# Altium PCB TopBoard.PcbDoc
Units mil, origin at the board's own origin, x right, y up, seen from the top; angles counter-clockwise.
Board outline 3937.01 x 1929.14 mil, 2 copper layers (Top Layer, Bottom Layer); 48 components, 39 nets, 212 pads, 1 vias.
Unrouted connection lines stored in the file: 130.
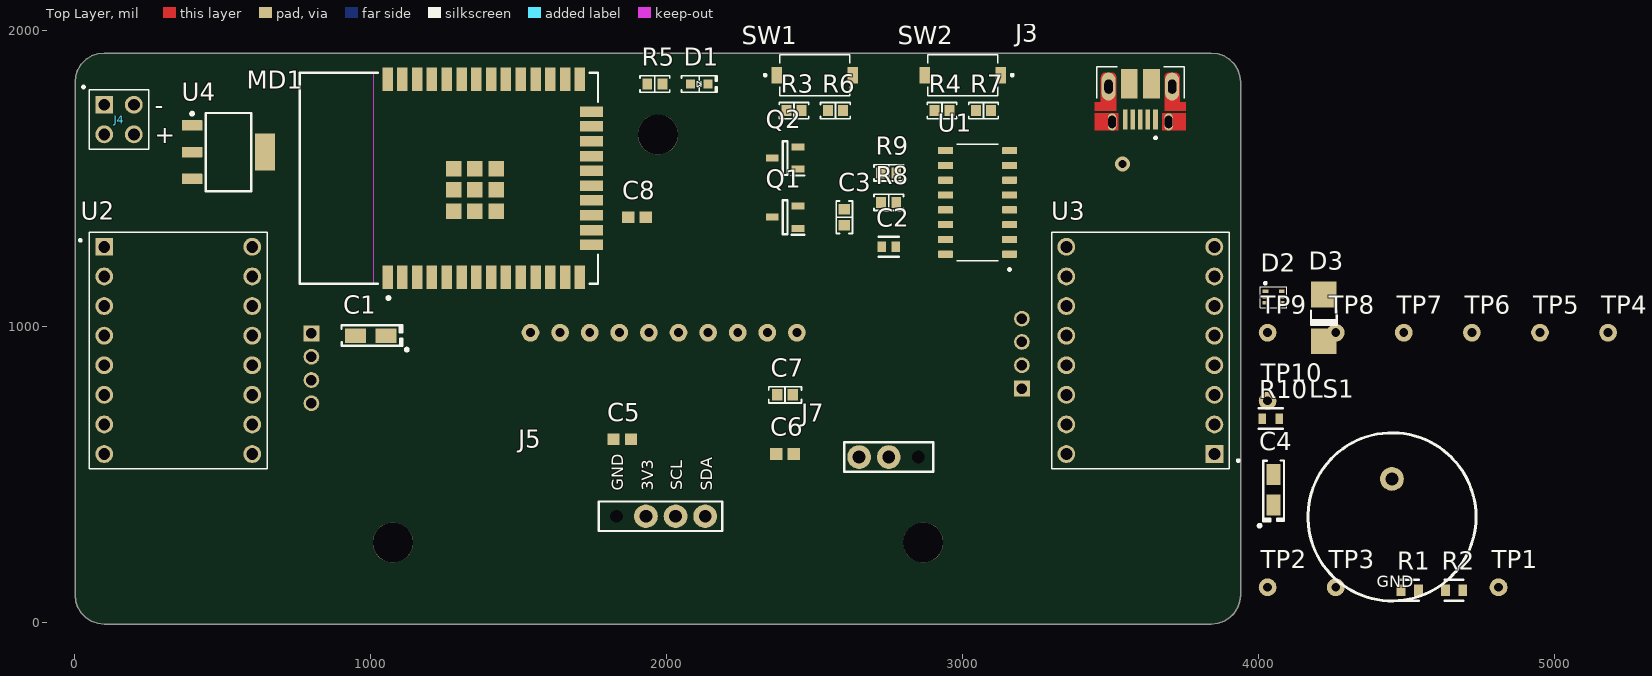
[diagram p0: Top Layer view]
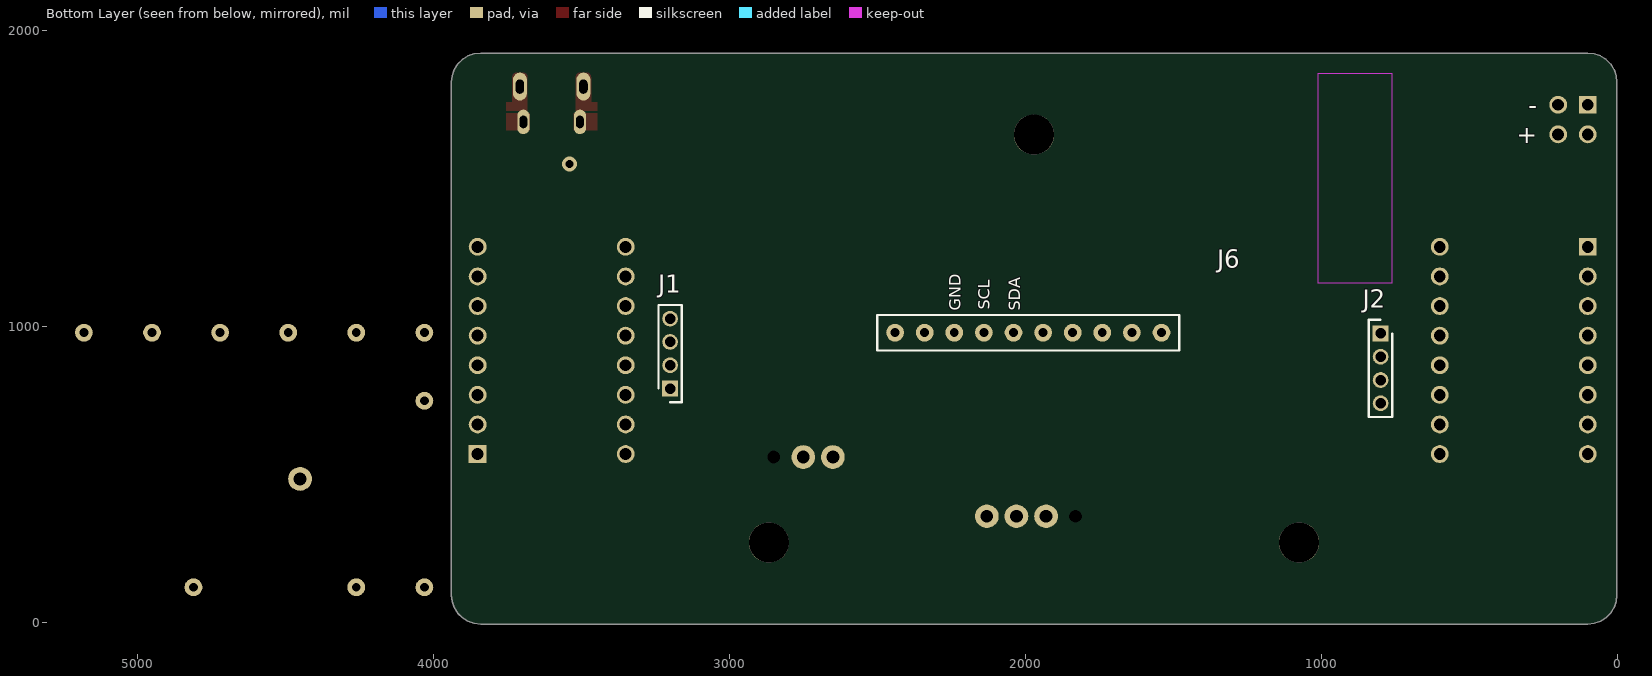
[diagram p1: Bottom Layer view, seen from below]

## Layer stack, top to bottom
Top Solder: solder mask 0.4, Solder Resist, Dk 3.5
Top Layer: signal copper 1.4
Dielectric 1: dielectric 12.6, FR-4, Dk 4.8
Bottom Layer: signal copper 1.4
Bottom Solder: solder mask 0.4, Solder Resist, Dk 3.5

## Board outline
3840.06,1924.59 99.91,1924.59 78,1922.12 57.2,1914.84 38.54,1903.12 22.95,1887.53 11.23,1868.87 3.95,1848.07 1.48,1826.17 1.48,93.88 3.95,71.98 11.23,51.18 22.95,32.51 38.54,16.93 57.2,5.2 78,-2.08 99.91,-4.54 3840.06,-4.54 3861.97,-2.07 3882.77,5.21 3901.43,16.93 3917.02,32.52 3928.74,51.18 3936.02,71.98 3938.49,93.88 3938.49,1826.17 3936.02,1848.07 3928.74,1868.87 3917.01,1887.53 3901.43,1903.12 3882.77,1914.85 3861.96,1922.12

## Design rules (kind name [scope] priority, off if disabled: settings)
Clearance [All] p1: gap=10 ignorepadtopadclearanceinfootprint=FALSE except(0: Arc-Hole Track-Hole SMDPad-Hole THPad-Hole Via-Hole Fill-Hole Poly-Hole Region-Hole Text-Hole)
DiffPairsRouting [All] p1: maxlimit=10 minlimit=10 mostfreqgap=10 toplayer_minwidth=15 toplayer_maxwidth=15 toplayer_prefwidth=15 bottomlayer_minwidth=15 bottomlayer_maxwidth=15 bottomlayer_prefwidth=15 maxuncoupledlength=500
PolygonConnect [All] p1: connectstyle=Relief reliefconductorwidth=10 reliefentries=4 polygonreliefangle="90 Angle" airgapwidth=10
RoomDefinition "Screen, IMU and IR" [InComponentClass('Screen, IMU and IR')] p1: confinementstyle=ConfineIn formatcopy=TRUE lockcomponents=FALSE outline 860,180 3240,180 3240,1470 860,1470
RoomDefinition "ESP32, LED and Buttoms" [InComponentClass('ESP32, LED and Buttoms')] p2: confinementstyle=ConfineIn formatcopy=TRUE lockcomponents=FALSE outline -50,-50 3980,-50 3980,2020 -50,2020
RoomDefinition "Buzzer & Spotlights" [InComponentClass('Buzzer & Spotlights')] p3: confinementstyle=ConfineIn formatcopy=TRUE lockcomponents=FALSE outline 3980,60 4750,60 4750,840 3980,840
RoomDefinition USBToTTL [InComponentClass('USBToTTL')] p4: confinementstyle=ConfineIn formatcopy=TRUE lockcomponents=FALSE outline 2150,920 4000,920 4000,2020 2150,2020
RoomDefinition TopBoard [InComponentClass('TopBoard')] p5: confinementstyle=ConfineIn formatcopy=TRUE lockcomponents=FALSE outline -100,-30 4000,-30 4000,2020 -100,2020
RoomDefinition "Motor Drivers A4988" [InComponentClass('Motor Drivers A4988')] p6: confinementstyle=ConfineIn formatcopy=TRUE lockcomponents=FALSE outline -40,460 4010,460 4010,1470 -40,1470
RoomDefinition Power [InComponentClass('Power')] p7: confinementstyle=ConfineIn formatcopy=TRUE lockcomponents=FALSE outline 0,1350.55 698.03,1350.55 698.03,2270 0,2270
RoutingVias [All] p1: holewidth=28 width=50 viastyle="Through Hole" minholewidth=28 minwidth=50 maxholewidth=28 maxwidth=50
SolderMaskExpansion [All] p1: expansion=4 istentingtop=FALSE
Width [All] p1: maxlimit=10 minlimit=10 preferedwidth=10
29 further rules are at their usual default settings.

## Classes and differential pairs
component class "Buzzer & Spotlights": LS1 R10
component class USBToTTL: C2 C3 D2 D3 J3 Q1 Q2 R9 TP4 TP5 TP6 TP7 TP8 TP9 U1
component class TopBoard: J1 J2
component class Power: J4 TP10 U4
component class "Motor Drivers A4988": C7 U2 U3
component class "Screen, IMU and IR": C7 C8 J5 J6 J7
component class "ESP32, LED and Buttoms": C1 D1 MD1 R1 R9 SW1 SW2 TP1 TP2 TP3
differential pair D: +D_P -D_N

## Components (designator, comment, footprint, x,y, rotation, side; value= is the part's Value field where it differs from the comment)
C1 "100µF" "CAP POL 1206_3216" 1000,970 r180 top
C2 "0.1uF" FP-C0603C-CF-MFG 2750,1270 r180 top value="0.10 μF"
C3 "1µF" "CAP 0603_1608" 2600,1370 r270 top
C4 "100µF" "CAP POL 1206_3216" 4050,450 r90 top
C5 "06035C104JAT2A" CAPC1608X90X35NL15T15 1850,620 r0 top
C6 "06035C104JAT2A" CAPC1608X90X35NL15T15 2400,570 r0 top
C7 "22µF" "CAP 0603_1608" 2400,770 r0 top
C8 "06035C104JAT2A" CAPC1608X90X35NL15T15 1900,1370 r0 top
D1 "Blue" "LED 0603_1608 BLUE" 2110,1820 r0 top
D2 "ESDUSB" SOT563 4050,1100 r0 top
D3 "SMA 5.0V" DO-214AC-SMA_Unidir 4220,1030 r90 top
J1 "PIN HEADER 4x1" HDRV4W50P0X200_1X4_800X200X525P 3200,791.26 r90 bottom
J2 "PIN HEADER 4x1" HDRV4W50P0X200_1X4_800X200X525P 800,977.48 r270 bottom
J3 "USB Micro B 2.0" AMPHENOL_10103594-0001LF 3600,1811.22 r180 top
J4 "PIN HEADER 2x1" M20-9950245 150,1700 r0 top
J5 "SSD1306_OLED_HDR" OLED_guarreta 1980,360 r90 top
J6 "IMU_10DOF_HDR" IMU_GUARRETA 2440,980 r90 bottom
J7 "IRREMOTE_HDR" IRremote_guarreta 2750,560 r270 top
LS1 "KXG1205" BUZZER 4450,230 r0 top
MD1 "ESP32-WROOM-32D" FP-ESP32-WROOM-32D-MFG 1264.05,1501.61 r90 top
Q1 "S8050" SOT95P240X115-3N 2400,1370 r180 top
Q2 "S8050" SOT95P240X115-3N 2400,1570 r180 top
R1 "1k1" FP-CRCW0603-e3-MFG 4510,110 r0 top
R2 "1k1" FP-CRCW0603-e3-MFG 4660,110 r0 top
R3 "12 kOhms" "RES 0603_1608" 2430,1730 r180 top
R4 "12 kOhms" "RES 0603_1608" 2930,1730 r180 top
R5 "470 Ohms" "RES 0603_1608" 1960,1820 r0 top
R6 "470 Ohms" "RES 0603_1608" 2570,1730 r0 top
R7 "470 Ohms" "RES 0603_1608" 3070,1730 r0 top
R8 "12 kOhms" "RES 0603_1608" 2750,1420 r0 top
R9 "12 kOhms" "RES 0603_1608" 2750,1520 r0 top
R10 "ERJ-3GEYJ102V" FP-ERJ3G-MFG 4040,690 r0 top value=1000Ω
SW1 "FSMSMTR" TECO-FSMSMTR_V 2500,1850 r0 top
SW2 "FSMSMTR" TECO-FSMSMTR_V 3000,1850 r180 top
TP1 "Test point" TestPoint 4810,120 r0 top
TP2 "Test point" TestPoint 4030,120 r90 top
TP3 "Test point" TestPoint 4260,120 r90 top
TP4 "Test point" TestPoint 5180,980 r90 top
TP5 "Test point" TestPoint 4950,980 r90 top
TP6 "Test point" TestPoint 4720,980 r90 top
TP7 "Test point" TestPoint 4490,980 r90 top
TP8 "Test point" TestPoint 4260,980 r90 top
TP9 "Test point" TestPoint 4030,980 r90 top
TP10 "Test point" TestPoint 4030,750 r90 top
U1 "CH340C" SOIC127P600X180-16N 3050,1420 r180 top
U2 "A4988" A4988 350,920 r0 top
U3 "A4988" A4988 3600,920 r180 top
U4 "LM1117IMP-3.3/NOPB" DCY0004A_N 520,1590 r0 top

## Footprints (in the part's own frame and the unit in brackets; to place one, negate y for a bottom-side part, rotate by r counter-clockwise, add the part's x,y. Pads: shape width x height; smd on the part's side, far side on the other; paste and mask are expansions set on the pad)
A4988 [mm] "Pololu A4988 Stepper Driver Carrier Footprint"
  rect 1.53x1.53 hole 1.02: 1(-6.35,8.89)
  round 1.53 hole 1.02: 2(-6.35,6.35) 3(-6.35,3.81) 4(-6.35,1.27) 5(-6.35,-1.27) 6(-6.35,-3.81) 7(-6.35,-6.35) 8(-6.35,-8.89) 9(6.35,-8.89) 10(6.35,-6.35) 11(6.35,-3.81) 12(6.35,-1.27) 13(6.35,1.27) 14(6.35,3.81) 15(6.35,6.35) 16(6.35,8.89)
  silkscreen extent -8.5,-10.16 7.62,10.16, body extent -7.62,-10.41 7.62,10.41, height 14.4
AMPHENOL_10103594-0001LF [mm]
  rect 0.4x1.75 smd: 1(-1.3,2.825) 2(-0.65,2.825) 3(0,2.825) 4(0.65,2.825) 5(1.3,2.825)
  oval 0.73x1.46 hole 0.65 slot 1.05 at 90 deg mask+0: 6(-2.425,3.03) 7(2.425,3.03)
  oval 1.2x2.4 hole 0.7 slot 1.2 at 90 deg: 8(-2.725,0) 9(2.725,0)
  oval 1.05x2.1 smd far side paste-2: 10(-2.425,3.03) 11(2.425,3.03)
  rect 1.425x2.5 smd: S1(-0.962,-0.25) S2(0.962,-0.25)
  Top Layer region: -1.9,2.3 -3.9,2.3 -3.9,3.76 -1.9,3.76
  Top Layer region: 3.9,2.3 1.9,2.3 1.9,3.76 3.9,3.76
  Top Layer region: -2.075,-0.8 -2.076,-0.821 -2.077,-0.842 -2.08,-0.863 -2.084,-0.883 -2.089,-0.904 -2.095,-0.924 -2.102,-0.943 -2.11,-0.963 -2.119,-0.982 -2.129,-1 -2.14,-1.018 -2.151,-1.035 -2.164,-1.052 -2.178,-1.068 -2.192,-1.083 -2.207,-1.097 -2.223,-1.111 -2.24,-1.124 -2.257,-1.135 -2.275,-1.146 -2.293,-1.156 -2.312,-1.165 -2.332,-1.173 -2.351,-1.18 -2.371,-1.186 -2.392,-1.191 -2.412,-1.195 -2.433,-1.198 -2.454,-1.199 -2.475,-1.2 -2.975,-1.2 -2.996,-1.199 -3.017,-1.198 -3.038,-1.195 -3.058,-1.191 -3.079,-1.186 -3.099,-1.18 -3.118,-1.173 -3.138,-1.165 -3.157,-1.156 -3.175,-1.146 -3.193,-1.135 -3.21,-1.124 -3.227,-1.111 -3.243,-1.097 -3.258,-1.083 -3.272,-1.068 -3.286,-1.052 -3.299,-1.035 -3.31,-1.018 -3.321,-1 -3.331,-0.982 -3.34,-0.963 -3.348,-0.943 -3.355,-0.924 -3.361,-0.904 -3.366,-0.883 -3.37,-0.863 -3.373,-0.842 -3.374,-0.821 -3.375,-0.8 -3.375,1.35 -3.9,1.35 -3.9,2.05 -2.075,2.05
  Top Layer region: 3.9,1.35 3.375,1.35 3.375,-0.8 3.374,-0.821 3.373,-0.842 3.37,-0.863 3.366,-0.883 3.361,-0.904 3.355,-0.924 3.348,-0.943 3.34,-0.963 3.331,-0.982 3.321,-1 3.31,-1.018 3.299,-1.035 3.286,-1.052 3.272,-1.068 3.258,-1.083 3.243,-1.097 3.227,-1.111 3.21,-1.124 3.193,-1.135 3.175,-1.146 3.157,-1.156 3.138,-1.165 3.118,-1.173 3.099,-1.18 3.079,-1.186 3.058,-1.191 3.038,-1.195 3.017,-1.198 2.996,-1.199 2.975,-1.2 2.475,-1.2 2.454,-1.199 2.433,-1.198 2.412,-1.195 2.392,-1.191 2.371,-1.186 2.351,-1.18 2.332,-1.173 2.312,-1.165 2.293,-1.156 2.275,-1.146 2.257,-1.135 2.24,-1.124 2.223,-1.111 2.207,-1.097 2.192,-1.083 2.178,-1.068 2.164,-1.052 2.151,-1.035 2.14,-1.018 2.129,-1 2.119,-0.982 2.11,-0.963 2.102,-0.943 2.095,-0.924 2.089,-0.904 2.084,-0.883 2.08,-0.863 2.077,-0.842 2.076,-0.821 2.075,-0.8 2.075,2.05 3.9,2.05
  silkscreen extent -3.75,-1.7 3.75,4.5, body extent -4.02,-2.79 4.02,3.24, height 3.13
BUZZER [mm]
  round 2.032 hole 1.1: 1(0,6.5)
  round 0 hole 1.1: 2(0,0)
  silkscreen extent -7.21,-3.96 7.21,10.46, body extent -6,-2.75 6,12.7, height 9.66
"CAP 0603_1608" [mm] "Chip Capacitor, 2-Leads, Body 1.60x0.80mm, IPC Medium Density"
  rect 0.9x1 smd: 1(-0.675,0) 2(0.675,0)
  silkscreen extent -1.4,-0.7 1.4,0.7, body extent -0.8,-0.41 0.8,0.41, height 0.82
"CAP POL 1206_3216" [mm] "Molded Capacitor, 2-Leads, Body 3.20x1.6mm, IPC Medium Density"
  rect 1.8x1.23 smd: 1(-1.31,0) 2(1.31,0)
  silkscreen extent -3.22,-0.9 2.5,1.32, body extent -1.72,-0.85 1.71,0.85, height 1.7
CAPC1608X90X35NL15T15 [mm] "Chip Capacitor, 2-Leads, Body 1.60x0.81mm, IPC Medium Density"
  rect 1.05x1 smd: 1(-0.75,0) 2(0.75,0)
  body extent -0.88,-0.48 0.87,0.48, height 0.9
DCY0004A_N [mm] "SOT223, 4-Leads, Body 6.7x3.7mm, Pitch 2.3mm, IPC Medium Density"
  rrect11% 1.75x0.9 smd: 1(-3.125,2.3) 2(-3.125,0) 3(-3.125,-2.3)
  rrect6% 1.75x3.2 smd: 4(3.125,0)
  silkscreen extent -3.25,-3.35 1.95,3.42, body extent -3.5,-3.25 3.5,3.25, height 1.62
DO-214AC-SMA_Unidir [mm] "SMA Diode, DO-214AC"
  rect 2.2x2.2 smd: A(2,0) K(-2,0)
  silkscreen extent -0.7,-1.1 0.6,1.1, body extent -2.5,-1.35 2.5,1.35, height 2.41
FP-C0603C-CF-MFG [mm]
  rect 0.75x0.9 smd paste+0 mask+0: 1(-0.6,0) 2(0.6,0)
  silkscreen extent -0.87,-0.85 0.88,0.85, body extent -1.2,-0.6 1.2,0.6, height 0.25
FP-CRCW0603-e3-MFG [mm]
  rect 0.75x1 smd paste+0 mask+0: 1(-0.75,0) 2(0.75,0)
  silkscreen extent -0.8,-0.9 0.8,0.9, body extent -1.22,-0.6 1.22,0.6, height 0.25
FP-ERJ3G-MFG [mm]
  rect 0.65x0.9 smd paste+0 mask+0: 1(-0.725,0) 2(0.725,0)
  silkscreen extent -1.03,-0.87 1.03,0.87, body extent -1.15,-0.58 1.15,0.58, height 0.25
FP-ESP32-WROOM-32D-MFG [mm]
  rect 2x0.9 smd paste+0 mask+0: 1(-8.5,5.26) 2(-8.5,3.99) 3(-8.5,2.72) 4(-8.5,1.45) 5(-8.5,0.18) 6(-8.5,-1.09) 7(-8.5,-2.36) 8(-8.5,-3.63) 9(-8.5,-4.9) 10(-8.5,-6.17) 11(-8.5,-7.44) 12(-8.5,-8.71) 13(-8.5,-9.98) 14(-8.5,-11.25) 25(8.5,-11.25) 26(8.5,-9.98) 27(8.5,-8.71) 28(8.5,-7.44) 29(8.5,-6.17) 30(8.5,-4.9) 31(8.5,-3.63) 32(8.5,-2.36) 33(8.5,-1.09) 34(8.5,0.18) 35(8.5,1.45) 36(8.5,2.72) 37(8.5,3.99) 38(8.5,5.26)
  rect 0.9x2 smd paste+0 mask+0: 15(-5.715,-12.25) 16(-4.445,-12.25) 17(-3.175,-12.25) 18(-1.905,-12.25) 19(-0.635,-12.25) 20(0.635,-12.25) 21(1.905,-12.25) 22(3.175,-12.25) 23(4.445,-12.25) 24(5.715,-12.25)
  rect 1.33x1.33 smd paste+0 mask+0: 39(-2.835,-2.24) 39(-2.835,-0.405) 39(-2.835,-4.075) 39(-1,-0.405) 39(-1,-4.075) 39(-1,-2.24) 39(0.835,-0.405) 39(0.835,-4.075) 39(0.835,-2.24)
  Keep-Out Layer region: -9,6.45 9,6.45 9,12.75 -9,12.75
  Keep-Out Layer region: -9,6.45 9,6.45 9,12.75 -9,12.75
  silkscreen extent -10.4,-12.8 9.05,12.8, body extent -9.6,-13.35 9.6,12.9, height 0.25
HDRV4W50P0X200_1X4_800X200X525P [mm]
  rect 1.35x1.35 hole 0.9: 1(0,0)
  round 1.35 hole 0.9: 2(2,0) 3(4,0) 4(6,0)
  silkscreen extent -1.17,-1 7.17,1, body extent -1.03,-0.87 6.97,1.13, height 4.9
IMU_GUARRETA [mil]
  round 60 hole 30: 1(0,0) 2(0,-100) 3(0,-200) 4(0,-300) 5(0,-400) 6(0,-500) 7(0,-600) 8(0,-700) 9(0,-800) 10(0,-900)
  silkscreen extent -60,-960 60,60, body extent -799,-1199 101,301, height 552
IRremote_guarreta [mil]
  round 80 hole 43.31: 1(0,-100) 2(0,0)
  round 0 hole 43.31: 3(0,100)
  silkscreen extent -50,-150 50,150, body extent -89,-305 659,301, height 886
"LED 0603_1608 BLUE" [mm] "Chip Diode, 2-Leads, Body 1.60x0.80mm, IPC Medium Density"
  rect 0.8x0.8 smd: 1(-0.75,0) 2(0.75,0)
  silkscreen extent -1.52,-0.7 1.52,0.7, body extent -0.8,-0.4 0.8,0.4, height 0.53
M20-9950245 [mm] "M20-9950245 Pin Connector"
  rect 1.53x1.53 hole 1.02: 1(-1.27,1.27)
  round 1.53 hole 1.02: 2(-1.27,-1.27) 3(1.27,1.27) 4(1.27,-1.27)
  silkscreen extent -3.15,-2.54 2.54,2.89, body extent -2.54,-1.57 2.54,13.91, height 5.13
OLED_guarreta [mil]
  round 80 hole 43.31: 1(0,-150) 2(0,-50) 3(0,50)
  round 0 hole 43.31: 4(0,150)
  silkscreen extent -50,-207 50,210, body extent -582,-492 13,492, height 112
"RES 0603_1608" [mm] "Chip Resistor, 2-Leads, Body 1.60x0.80mm, IPC Medium Density"
  rect 0.85x0.95 smd: 1(-0.65,0) 2(0.65,0)
  silkscreen extent -1.27,-0.7 1.27,0.7, body extent -0.8,-0.4 0.8,0.4, height 0.45
SOIC127P600X180-16N [mm]
  rrect25% 1.31x0.62 smd: 1(-2.75,4.445) 2(-2.75,3.175) 3(-2.75,1.905) 4(-2.75,0.635) 5(-2.75,-0.635) 6(-2.75,-1.905) 7(-2.75,-3.175) 8(-2.75,-4.445) 9(2.75,-4.445) 10(2.75,-3.175) 11(2.75,-1.905) 12(2.75,-0.635) 13(2.75,0.635) 14(2.75,1.905) 15(2.75,3.175) 16(2.75,4.445)
  silkscreen extent -2.85,-5 1.78,5.85, body extent -3,-5 3,5, height 1.8
SOT95P240X115-3N [mm]
  rect 1.1x0.6 smd: 1(-1.1,0.95) 2(-1.1,-0.95) 3(1.1,0)
  silkscreen extent -1.65,-1.45 0.2,1.5, body extent -1.2,-1.45 1.2,1.45, height 1.15
SOT563 [mm] "SOT563, 6-Leads, Body 1,60x1,20mm, Pitch 0,50mm, IPC Medium Density"
  rect 0.5x0.3 smd paste+0 mask+0.05: 1(-0.7,0.5) 2(-0.7,0) 3(-0.7,-0.5) 4(0.7,-0.5) 5(0.7,0) 6(0.7,0.5)
  silkscreen extent -1.14,-0.89 1.14,1.3, body extent -0.8,-0.8 0.8,0.8, height 0.55
TECO-FSMSMTR_V [mm] "SMD, 2-Leads, Body 6x3.5mm, Pitch 9.19mm"
  rect 0.9x1.4 smd: 1(-3.25,0) 2(3.25,0)
  silkscreen extent -4.35,-1.75 3,1.75, body extent -3,-1.75 3,1.75, height 2.5
TestPoint [mil] "Test Point"
  round 60 hole 30: 1(0,0)

## Part data
C1 C4: library part F930J107KAA, "CAP TANT 100UF 10% 6.3V 1206", Device Package="1206 (3216 Metric)", ESR (Equivalent Series Resistance)="2Ohm @ 100kHz", Lifetime @ Temp.="2000 Hrs @ 125°C", Manufacturer="AVX Corporation", Manufacturer Size Code=A, Operating Temperature="-55°C ~ 125°C", Supplier Part Number 1=478-8152-1-ND, Tolerance=±10%, Voltage - Rated=6.3V, Capacitance=100µF, ComponentLink1Description=Datasheet, ComponentLink1URL=http://datasheets.avx.com/F93.pdf, ComponentLink2Description="DigiKey Link", ComponentLink2URL=http://digikey.com/product-detail/en/avx-corporation/F930J107KAA/478-8152-1-ND/4005870, Features="General Purpose", Height - Seated (Max)="0.071\" (1.80mm)", LastUpdated="09/02/2020 01:15:59", Lifecycle Status=Active, Minimum Order=1, Mounting Type="Surface Mount", Package / Case="1206 (3216 Metric)", Packaging=TapeAndReel, Part Number=F930J107KAA, Part Status=Active, PartId=151, Price=0.19, Series=F93, Size / Dimension="0.126\" L x 0.063\" W (3.20mm x 1.60mm)", Supplier 1=DigiKey, Type=Molded
C2: library part CMP-2006-03061-2, "CAP CER 0.1UF 50V X7R 0603", Capacitance="0.10 μF", Manufacturer=KEMET, Manufacturer Part Number=C0603C104K5RACTU, Package=C0603C-CF, Temperature="-55°C to +125°C", Temperature Characteristic=X7R, Temperature Coefficient=30ppm/°C, Temperature Range High=+125°C, Temperature Range Low=-55°C, Tolerance=0.1, Voltage Rating="50 V", Automotive=Yes, Automotive Grade="Grade 1", Category=Cap, ComponentLink2Description=Datasheet, ComponentLink2URL=https://api.kemet.com/component-edge/download/datasheet/C0603C100J5GACAUTO.pdf, Device Class L1="Passive Components", Device Class L2=Capacitors, Device Class L3="Ceramic Capacitors", Digikey Description="CAP CER 0.1UF 50V X7R 0603", Height=0.87mm, Lead Free=Yes, Material=Ceramic, Octopart=https://octopart.com/c0603c104k5ractu-kemet-139244, RoHS=TRUE
C3: library part C0603C105K4RACAUTO, "CAP CER 0603 1UF 16V X7R 10%", Device Package="0603 (1608 Metric)", Manufacturer=KEMET, Operating Temperature="-55°C ~ 125°C", Ratings=AEC-Q200, Supplier Part Number 1=399-17704-1-ND, Temperature Coefficient=X7R, Tolerance=±10%, Voltage - Rated=16V, Applications="Automotive, Bypass, Decoupling", Capacitance=1µF, ComponentLink1Description=Datasheet, ComponentLink1URL=https://api.kemet.com/component-edge/download/datasheet/C0603C105K4RACAUTO.pdf, ComponentLink2Description="DigiKey Link", ComponentLink2URL=http://digikey.com/product-detail/en/kemet/C0603C105K4RACAUTO/399-17704-1-ND/8635855, LastUpdated="09/02/2020 01:03:36", Lifecycle Status=Active, Minimum Order=1, Mounting Type="Surface Mount, MLCC", Package / Case="0603 (1608 Metric)", Packaging=TapeAndReel, Part Number=C0603C105K4RACAUTO, Part Status=Active, PartId=2179, Price=0.02, Series="SMD Auto X7R", Size / Dimension="0.063\" L x 0.031\" W (1.60mm x 0.80mm)", Supplier 1=DigiKey, Thickness (Max)="0.037\" (0.95mm)"
C5 C6 C8: library part CMP-2006-02049-1, Manufacturer="AVX Interconnect / Elco", Part Number=06035C104JAT2A
C7: library part C1608X5R0G226M080AA, "CAP CER 22UF 4V X5R 0603", Device Package="0603 (1608 Metric)", Manufacturer="TDK Corporation", Operating Temperature="-55°C ~ 85°C", Supplier Part Number 1=445-8030-1-ND, Temperature Coefficient=X5R, Tolerance=±20%, Voltage - Rated=4V, Applications="General Purpose", Capacitance=22µF, ComponentLink1Description=Datasheet, ComponentLink1URL=https://product.tdk.com/info/en/catalog/datasheets/mlcc_commercial_general_en.pdf?ref_disty=digikey, ComponentLink2Description="DigiKey Link", ComponentLink2URL=http://digikey.com/product-detail/en/tdk-corporation/C1608X5R0G226M080AA/445-8030-1-ND/2792156, LastUpdated="09/02/2020 01:03:35", Lifecycle Status=Active, Minimum Order=1, Mounting Type="Surface Mount, MLCC", Package / Case="0603 (1608 Metric)", Packaging=TapeAndReel, Part Number=C1608X5R0G226M080AA, Part Status=Active, PartId=2599, Price=0.09, Series=C, Size / Dimension="0.063\" L x 0.031\" W (1.60mm x 0.80mm)", Supplier 1=DigiKey, Thickness (Max)="0.039\" (1.00mm)"
D1: library part VLMB1300-GS08, "LED BLUE 0603 SMD", Current - Test=20mA, Device Package="0603 (1608 Metric)", Lens Color=1.00mm, Manufacturer="Vishay Semiconductor Opto Division", Millicandela Rating=104mcd, Supplier Device Package=0603, Supplier Part Number 1=VLMB1300-GS08CT-ND, Voltage - Forward (Vf) (Typ)=3.3V, Color=Blue, ComponentLink1Description=Datasheet, ComponentLink1URL=http://www.vishay.com/docs/82437/vlmo1300.pdf, ComponentLink2Description="DigiKey Link", ComponentLink2URL=http://digikey.com/product-detail/en/vishay-semiconductor-opto-division/VLMB1300-GS08/VLMB1300-GS08CT-ND/3025485, Configuration=Standard, Height (Max)=1.00mm, LastUpdated="09/02/2020 01:20:26", Lens Size="1.10mm x 0.80mm", Lens Style="Rectangle with Flat Top", Lifecycle Status=Active, Minimum Order=1, Mounting Type="Surface Mount", Package / Case="0603 (1608 Metric)", Packaging=TapeAndReel, Part Number=VLMB1300-GS08, Part Status=Active, PartId=785, Price=0.08, Series=CHIPLED, Size / Dimension="1.60mm L x 0.80mm W", Supplier 1=DigiKey, Viewing Angle=130°, Wavelength - Dominant=470nm, Wavelength - Peak=468nm
D2: library part "USB ESD Single", "Protection, USB ESD", Manufacturer=Würth, Manufacturer 2=Bourns, Temp_ Max=125, Temp_ Min=-40, OrderingCode=82400152, OrderingCode 2=CDSOT563-0502, Part Number="USB ESD Single", Price (€)=0,1, Supplier=Würth
D3: library part "TVS 5Vdc Unidir SMA", "Protection, Transient Suppression Diode", Breakdown Voltage=6,7Vdc, Manufacturer=WE, Overvoltage Current=43,5A, Temp_ Max=150, Temp_ Min=-65, Voltage=5Vdc, OrderingCode=824500500, Part Number="TVS 5Vdc Unidir SMA", Price (€)=0,108
J1 J2: library part M22-2510405, "Connector", Manufacturer_Name=Harwin, Mouser Part Number=855-M22-2510405, Datasheet Link=https://cdn.harwin.com/pdfs/M22-251.pdf, Height=5.25mm, Manufacturer_Part_Number=M22-2510405, Mouser Price/Stock=https://www.mouser.co.uk/ProductDetail/Harwin/M22-2510405?qs=vF78I%252BjhbY9z7PsFZBZ5CA%3D%3D
J3: library part 10103594-0001LF, "USB - micro B USB 2.0 Receptacle Connector 5 Position Surface Mount, Right Angle; Through Hole", Package=None, Availability=Good, Check_prices=https://www.snapeda.com/parts/10103594-0001LF/Amphenol%20FCI/view-part/5161044/?ref=eda, MF="Amphenol ICC (FCI)", MP=10103594-0001LF, Price=None, Purchase-URL=https://pricing.snapeda.com/search/part/10103594-0001LF/?ref=eda, SnapEDA_Link=https://www.snapeda.com/parts/10103594-0001LF/Amphenol%20FCI/view-part/5161044/?ref=snap
J4: library part M20-9950245, "M20-9950245 Pin Connector", ComponentLink1Description=Datasheet, ComponentLink1URL=https://www.snapeda.com/parts/M20-9950245/Harwin/datasheet/
J5: library part SSD_GUARRETA, "CONN HDR 4POS 0.1 TIN PCB", Color=Black, Manufacturer=Sullins, Manufacturer Part Number=PPTC041LFBN-RC, Package Quantity=1000, Supplier Part Number 1=S7002-ND, Category=Connectors, ComponentLink1Description=https://media.digikey.com/pdf/Data%20Sheets/Sullins%20PDFs/Female_Headers.100_DS.pdf?src-supplier=Digi-Key, ComponentLink1URL=https://media.digikey.com/pdf/Data%20Sheets/Sullins%20PDFs/Female_Headers.100_DS.pdf?src-supplier=Digi-Key, ComponentLink2Description=http://www.sullinscorp.com/catalogs/78_Page80-81_HEADER_.100_2.54mm_FEMALE.pdf?src-supplier=Future+Electronics, ComponentLink2URL=http://www.sullinscorp.com/catalogs/78_Page80-81_HEADER_.100_2.54mm_FEMALE.pdf?src-supplier=Future+Electronics, Connector Type=Header,Socket, Contact Material=Bronze, Contact Plating=Tin, Height=8.5mm, Housing Material=Plastic, Lead Free="Lead Free", Length=10.7mm, Mount="Through Hole", Number of Positions=4, Number of Rows=1, Packaging=Bulk, Pitch=0.1inch, Pricing 1="1=0,45000, 10=0,42400, 100=0,32500, 500=0,28260, 1000=0,23315, 5000=0,20489, 10000=0,20410 (USD)", RoHS=Yes, Stock 1=41925, Supplier 1=Digi-Key, Termination=Solder, Width=2.5mm
J6: library part IMU_GUARRETA, "CONN HDR 10POS 0.1 TIN PCB", Color=Black, Manufacturer=Sullins, Manufacturer Part Number=PPTC101LFBN-RC, Package Quantity=1000, Supplier Part Number 1=S7008-ND, Category=Connectors, ComponentLink1Description=https://media.digikey.com/pdf/Data%20Sheets/Sullins%20PDFs/Female_Headers.100_DS.pdf?src-supplier=Digi-Key, ComponentLink1URL=https://media.digikey.com/pdf/Data%20Sheets/Sullins%20PDFs/Female_Headers.100_DS.pdf?src-supplier=Digi-Key, Connector Type=Header, Contact Material=Bronze, Contact Plating=Tin, Contact Type="Female Socket", Height=8.5mm, Housing Material=Plastic, Lead Free="Lead Free", Length=25.9mm, Mount="Through Hole", Number of Positions=10, Number of Rows=1, Packaging=Bulk, Pitch=0.1inch, Pricing 1="1=0,65000, 10=0,57400, 100=0,49500, 500=0,40500, 1000=0,36000, 5000=0,32500 (USD)", RoHS=Yes, RoHS Compliant=Yes, Stock 1=12464, Supplier 1=Digi-Key, Termination=Solder, Width=2.5mm
J7: library part IRREMOTE_GUARRETA, "CONN HDR 3POS 0.1 GOLD PCB", Color=Black, Manufacturer=Sullins, Manufacturer Part Number=PPPC031LFBN-RC, Package Quantity=1000, Supplier Part Number 1=S7036-ND, Category=Connectors, ComponentLink1Description=https://media.digikey.com/pdf/Data%20Sheets/Sullins%20PDFs/Female_Headers.100_DS.pdf?src-supplier=Digi-Key, ComponentLink1URL=https://media.digikey.com/pdf/Data%20Sheets/Sullins%20PDFs/Female_Headers.100_DS.pdf?src-supplier=Digi-Key, ComponentLink2Description=http://www.sullinscorp.com/catalogs/78_Page80-81_HEADER_.100_2.54mm_FEMALE.pdf?src-supplier=Future+Electronics, ComponentLink2URL=http://www.sullinscorp.com/catalogs/78_Page80-81_HEADER_.100_2.54mm_FEMALE.pdf?src-supplier=Future+Electronics, Connector Type=Header, Contact Material=Bronze, Contact Plating=Gold, Contact Type="Female Socket", Height=8.5mm, Housing Material=Plastic, Lead Free="Lead Free", Length=8.12mm, Mount="Through Hole", Number of Positions=3, Number of Rows=1, Packaging=Bulk, Pitch=0.1inch, Pricing 1="1=0,37000, 10=0,35100, 100=0,26910, 500=0,23400, 1000=0,19305, 5000=0,16965, 10000=0,16900 (USD)", RoHS=Yes, RoHS Compliant=Yes, Stock 1=36124, Supplier 1=Digi-Key, Termination=Solder, Width=2.5mm
LS1: library part Buzzer
MD1: library part CMP-194065-000003-1, "WIFI MODULE 32MBITS SPI FLASH", Manufacturer="Espressif Systems", Max Frequency=2484MHz, Max Supply Voltage=3.6V, Min Supply Voltage=3V, Nominal Supply Current=500mA, Temperature="-40°C to +85°C", Temperature Range High=+85°C, Temperature Range Low=-40°C, Automotive=No, Bandwidth=72MHz, Category=UNK, ComponentLink2Description=Datasheet, ComponentLink2URL=https://www.espressif.com/sites/default/files/documentation/esp32-wroom-32d_esp32-wroom-32u_datasheet_en.pdf, Data Rate=150Mbits/s, Device Class L1="Integrated Circuits (ICs)", Device Class L2="RF Semiconductors and Devices", Device Class L3=Transceivers, Digikey Description="WIFI MODULE 32MBITS SPI FLASH", Height=3.2mm, Interface=I2C,SPI,UART,Ethernet,I2S,Other, Lead Free=Yes, Manufacturer Part Number=ESP32-WROOM-32D, Mouser Description="Wi-Fi/BT BLE Module ESP32-D0WD, SPI Flash, UART, P", Number Of Adc Channels=16, Number Of Gpio=32, Octopart=https://octopart.com/esp32-wroom-32d-espressif+systems-91040050, Package=ESP32-WROOM-32D, RoHS=TRUE, Sensitivity=-98dBm
Q1 Q2: "Transistor", Manufacturer_Name="Yenji Elec", Datasheet Link=https://datasheet.lcsc.com/szlcsc/Yenji-Elec-S8050_C139514.pdf, Height=1.15mm, Manufacturer_Part_Number=S8050
R1 R2: library part CMP-2000-02978-2, "RES Thick Film, 1.1kΩ, 5%, 0.1W, 200ppm/°C, 0603", Case Code (Imperial)=0603, Case Code (Metric)=1608, Max Operating Temperature=155°C, Max Power Dissipation=100mW, Min Operating Temperature=-55°C, Package Quantity=1, Resistance=1.1kR, Temperature Coefficient=200ppm/°C, Tolerance=5%, Voltage Rating=75V, Case/Package=0603, Composition="Thick Film", Contact Plating=Tin, Depth=0.85mm, Features="Automotive AEC-Q200", Height=0.02inch, Lead Free="Lead Free", Length=1.55mm, Military Standard=Not, Number of Terminations=2, Packaging="Tape and Reel", Power Rating=100mW, Radiation Hardening=No, Voltage Rating (DC)=75V, Weight=7.1E-05oz, Width=0.033inch
R3 R4 R8 R9: library part RMCF0603JT12K0, "RES 12K OHM 5% 1/10W 0603", Device Package="0603 (1608 Metric)", Manufacturer="Stackpole Electronics Inc", Operating Temperature="-55°C ~ 155°C", Power (Watts)="0.1W, 1/10W", Ratings=AEC-Q200, Supplier Device Package=0603, Supplier Part Number 1=RMCF0603JT12K0CT-ND, Temperature Coefficient=±200ppm/°C, Tolerance=±5%, ComponentLink1Description=Datasheet, ComponentLink1URL=https://www.seielect.com/catalog/sei-rmcf_rmcp.pdf, ComponentLink2Description="DigiKey Link", ComponentLink2URL=http://digikey.com/product-detail/en/stackpole-electronics-inc/RMCF0603JT12K0/RMCF0603JT12K0CT-ND/1943192, Composition="Thick Film", Features="Automotive AEC-Q200", Height - Seated (Max)="0.022\" (0.55mm)", LastUpdated="09/02/2020 01:10:24", Lifecycle Status=Active, Minimum Order=1, Number of Terminations=2, Package / Case="0603 (1608 Metric)", Packaging=CutTape, Part Number=RMCF0603JT12K0, Part Status=Active, PartId=5166, Price=0.10, Resistance="12 kOhms", Series=RMCF, Size / Dimension="0.061\" L x 0.031\" W (1.55mm x 0.80mm)", Supplier 1=DigiKey
R5 R6 R7: library part RMCF0603JT470R, "RES 470 OHM 5% 1/10W 0603", Device Package="0603 (1608 Metric)", Manufacturer="Stackpole Electronics Inc", Operating Temperature="-55°C ~ 155°C", Power (Watts)="0.1W, 1/10W", Ratings=AEC-Q200, Supplier Device Package=0603, Supplier Part Number 1=RMCF0603JT470RCT-ND, Temperature Coefficient=±200ppm/°C, Tolerance=±5%, ComponentLink1Description=Datasheet, ComponentLink1URL=https://www.seielect.com/catalog/sei-rmcf_rmcp.pdf, ComponentLink2Description="DigiKey Link", ComponentLink2URL=http://digikey.com/product-detail/en/stackpole-electronics-inc/RMCF0603JT470R/RMCF0603JT470RCT-ND/1943166, Composition="Thick Film", Features="Automotive AEC-Q200", Height - Seated (Max)="0.022\" (0.55mm)", LastUpdated="09/02/2020 01:10:23", Lifecycle Status=Active, Minimum Order=1, Number of Terminations=2, Package / Case="0603 (1608 Metric)", Packaging=CutTape, Part Number=RMCF0603JT470R, Part Status=Active, PartId=5857, Price=0.10, Resistance="470 Ohms", Series=RMCF, Size / Dimension="0.061\" L x 0.031\" W (1.55mm x 0.80mm)", Supplier 1=DigiKey
R10: library part CMP-2000-00703-2, "RES SMD 1K OHM 5% 1/10W 0603", Manufacturer=Panasonic, Package=ERJ3G, Power Rating=0.1W, Resistance=1000Ω, Temperature="-55°C to +155°C", Temperature Coefficient=200ppm/°C, Temperature Range High=+155°C, Temperature Range Low=-55°C, Tolerance=5%, Voltage="75 V", Voltage Rating=75V, Automotive=Yes, Automotive Grade="Grade 0", Category=Res, ComponentLink2Description=Datasheet, ComponentLink2URL=https://industrial.panasonic.com/cdbs/www-data/pdf/RDA0000/AOA0000C301.pdf, Composition="Thick Film", Device Class L1="Passive Components", Device Class L2=Resistors, Device Class L3="Chip SMD Resistors", Digikey Description="RES SMD 1K OHM 5% 1/10W 0603", Footprint Url=https://industrial.panasonic.com/cdbs/www-data/pdf/RDA0000/DMA0000COL17.pdf, Height=0.55mm, Ipc Land Pattern Name=RESC16080X45, Lead Free=Yes, Manufacturer Part Number=ERJ-3GEYJ102V, Mounting Type="surface mount", Mouser Description="Res Thick Film 0603 1K Ohm 5% 1/10W ±200ppm/°C Molded SMD Punched Carrier T/R", Octopart=https://octopart.com/erj-3geyj102v-panasonic-55403670, RoHS=TRUE, Series=ERJ
SW1 SW2: library part CMP-2000-07501-1, "FSMSM Push Button Switch, 50 mA, -35 to 85 degC, 2-Pin SMD, RoHS, Tape and Reel", Case\/Package=SMD/SMT, Contact Current Rating=50mA, Contact Resistance=100mOhm, Manufacturer="TE Connectivity", Max Operating Temperature=85degC, Max Voltage Rating (DC)=12V, Min Operating Temperature=-35degC, Operating Force=180gf, Package Description="2-Pin Surface Mount Device, Body 6 x 3.5 mm, Pitch 9.19 mm", Package Quantity=1800, Voltage Rating (DC)=24V, Actuator Length=1.07mm, Actuator Material=Polyamide, Contact Material=Brass, Contact Plating=Silver, Current Rating=50mA, Datasheet URL=http://www.te.com/commerce/DocumentDelivery/DDEController?Action=showdoc&DocId=Customer+Drawing%7F1437566-3%7FC2%7Fpdf%7FEnglish%7FENG_CD_1437566-3_C2_1437566_3_1_c.dwg.pdf%7F1437566-4, Datasheet Version="Rev. C2, 08/2014", Electrical Life=20000Cycles, ELV=Compliant, Illumination Type=Illuminated, Lead Free=LeadFree, Manufacturer Part Number=FSMSMTR, Manufacturer URL=http://www.te.com/, Mechanical Life=20000Cycles, Mount=SurfaceMount, Mounting Technology=SurfaceMount, Orientation=Straight, Package Reference=FSMSMTR, Packaging=TapeandReel, REACH SVHC=Unknown, RoHSCompliant=true, Switch Travel=0.25mm, Termination=GullWing, Throw Configuration=SPST
TP1 TP2 TP3 TP4 TP5 TP6 TP7 TP8 TP9 TP10: library part TestPoint
U1: "USB to serial chip CH340", Package=None, Availability="Not in stock", Check_prices=https://www.snapeda.com/parts/CH340C/WCH/view-part/?ref=eda, MF=WCH, MP=CH340C, Price=None, SnapEDA_Link=https://www.snapeda.com/parts/CH340C/WCH/view-part/?ref=snap
U2 U3: "Pololu A4988 Stepper Motor Driver Carrier", ComponentLink1Description="Datasheet carrier", ComponentLink1URL=https://www.robotshop.com/media/files/pdf/datasheet-1182.pdf, ComponentLink2Description="Datasheet A4988", ComponentLink2URL=https://www.pololu.com/file/0J450/a4988_DMOS_microstepping_driver_with_translator.pdf
U4: library part CMP-0062-01631-4, "800mA Low-Dropout Linear Regulator, 4-pin SOT-223, Pb-Free", Manufacturer="Texas Instruments", PackageTopMarking=XYTT*N05B, PowerWise=N, Code_IPC=SOT223-4, Code_JEDEC=TO-261-AA, ComponentLink1Description="Datasheet URL", ComponentLink1URL=http://www.ti.com/general/docs/lit/getliterature.tsp?genericPartNumber=LM1117-N&fileType=pdf, CompType="LDO IC", High-Reliability=Y, PackageDescription="Molded SOT-223, 6.50 x 3.56 x 1.6mm Body, 4 Lead, 2.3mm Pitch", PackageReference=DCY0004A, PartNumber=LM1117IMP-3.3/NOPB, PinCount=4, RoHS=Y

## Free pads (board coordinates)
  round 135.43 hole 135.43: 1(1075.1,271.05) 1(1970.77,1649) 1(2866.44,271.05)

## Via types
v1: diameter 50, hole 28, Top Layer to Bottom Layer, 1 vias

## Nets (pads, with @x,y where several pads share a name; then routed paths per layer and width w, separated by ;. In a path a pad name is that pad's centre, name@x,y a point inside that pad or via, vN(x,y) a via of type N, cw(c..) or ccw(c..) an arc to the next point about the centre after c; other vN are vias at no path point)
5V_USB: D2.5 D3.K J3.1 TP7.1
#EN: R4.1 R7.1
+3V3: C1.1 C2.1 C5.2 C6.2 C7.2 C8.2 J5.3 J6.1 J7.2 MD1.2 R1.1 R2.1 R3.2 R4.2 TP1.1 TP6.1 U1.4 U1.16 U2.2 U2.3 U2.4 U2.10 U3.2 U3.3 U3.4 U3.10 U4.2 U4.4
+11V1: C4.1 J4.3 U2.16 U3.16 U4.3
BUZZER: MD1.28 R10.1
D1_DIR: MD1.16 U2.8
D1_EN: MD1.29 U2.1 U3.1
D1_STEP: MD1.14 U2.7
D2_DIR: MD1.27 U3.8
D2_EN: MD1.13
D2_STEP: MD1.23 U3.7
D\T\R\: Q1.3 R9.2 U1.13
D_N: D2.3 D2.4 J3.2 U1.6
D_P: D2.1 D2.6 J3.3 TP9.1 U1.5
EN: C3.1 MD1.3 Q1.2
GND: C1.2 C2.2 C3.2 C4.2 C5.1 C6.1 C7.1 C8.1 D1.2 D2.2 D3.A J3.5 J3.6 J3.7 J3.8 J3.9 J3.10 J3.11 J3.S1 J3.S2 J4.4 J5.4 J6.3 J7.3 LS1.2 MD1.1 MD1.15 MD1.38 MD1.39 SW1.2 SW2.2 TP8.1 TP10.1 U1.1 U2.9 U2.15 U3.9 U3.15 U4.1
IO0: MD1.25 Q2.2 R3.1 R6.1
IO2: MD1.24 R5.1
IR_SIG: J7.1 MD1.26
MOT1_1A: J2.3 U2.12
MOT1_1B: J2.4 U2.11
MOT1_2A: J2.2 U2.13
MOT1_2B: J2.1 U2.14
MOT2_1A: J1.3 U3.12
MOT2_1B: J1.4 U3.11
MOT2_2A: J1.2 U3.13
MOT2_2B: J1.1 U3.14
NetD1_1: D1.1 R5.2
NetLS1_1: LS1.1 R10.2
NetQ1_1: Q1.1 R8.1
NetQ2_1: Q2.1 R9.1
NetR6_2: R6.2 SW1.1
NetR7_2: R7.2 SW2.1
NetU2_5: U2.5 U2.6
NetU3_5: U3.5 U3.6
R\T\S\: Q2.3 R8.2 U1.14
RX: MD1.34 TP4.1 U1.2
SCL: J5.2 J6.4 MD1.36 R2.2 TP3.1
SDA: J5.1 J6.5 MD1.33 R1.2 TP2.1
pads on no net: J3.4 J4.1 J4.2 J6.2 J6.6 J6.7 J6.8 J6.9 J6.10 MD1.4 MD1.5 MD1.6 MD1.7 MD1.8 MD1.9 MD1.10 MD1.11 MD1.12 MD1.17 MD1.18 MD1.19 MD1.20 MD1.21 MD1.22 MD1.30 MD1.31 MD1.32 MD1.35 MD1.37 TP5.1 U1.3 U1.7 U1.8 U1.9 U1.10 U1.11 U1.12 U1.15
copper on no net:
  other v1: 3540,1550

## Text inside footprints (layer, text, board x,y; h text height)
J3: Mechanical 13 "PCB EDGE" at 3422.83,1870.28 h32 r180
J4: Top Overlay "+" at 270.01,1620.01 h60; Top Overlay "-" at 270.01,1720.01 h60; Bottom Overlay "+" at 270.01,1620.01 h60; Bottom Overlay "-" at 270.01,1720.01 h60
J5: Top Overlay "SDA" at 2154.13,445.87 h39.37 r90; Top Overlay "SCL" at 2052.13,447.87 h39.37 r90; Top Overlay "3V3" at 1955.13,446.87 h39.37 r90; Top Overlay "GND" at 1854.13,446.87 h39.37 r90
J6: Bottom Overlay "SDA" at 2017.76,1053.54 h39.37 r270; Bottom Overlay "GND" at 2217.56,1054.53 h39.37 r270; Bottom Overlay "SCL" at 2120.12,1057.48 h39.37 r270
LS1: Top Overlay "GND" at 4398.82,119.76 h39.37; Top Assembly "+" at 4424.41,657.82 h55.12